# KiCad board rgbwstrip120_250_panel.kicad_pcb (continued)
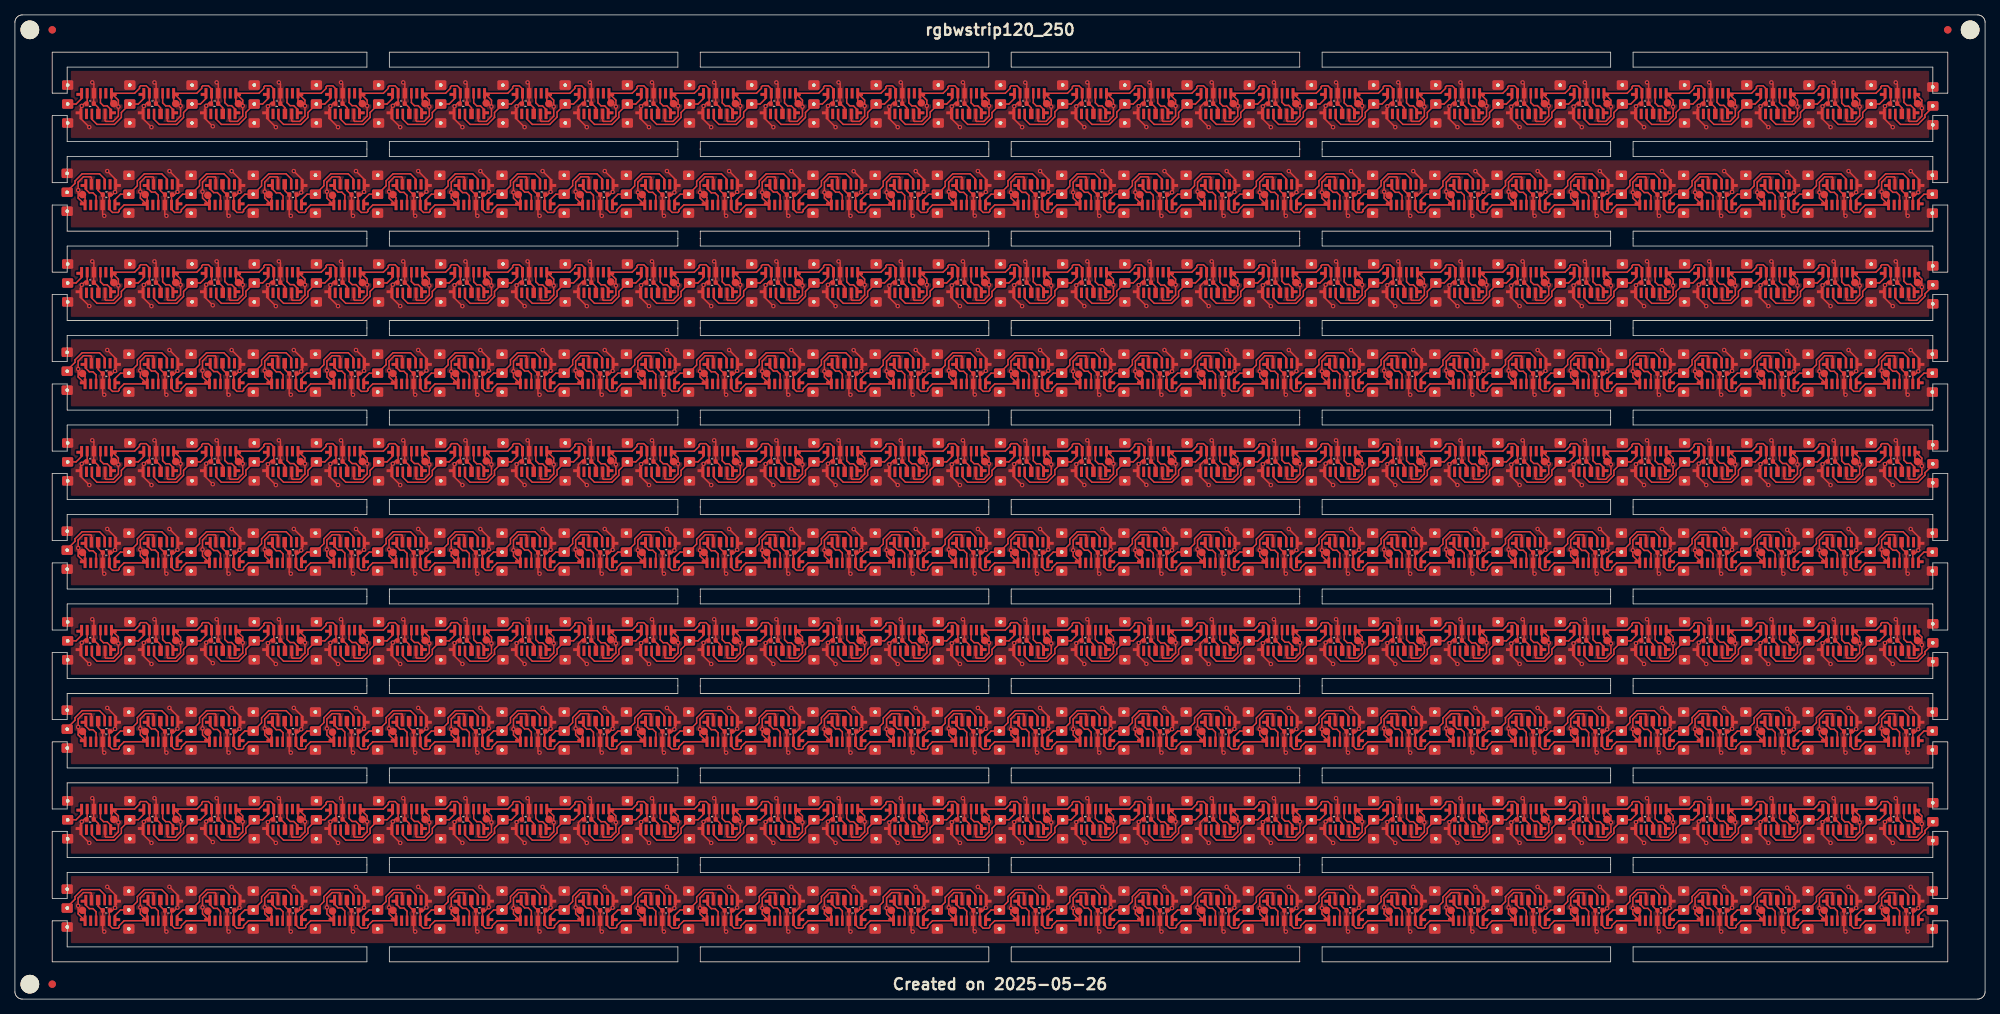
[diagram p0: board, top side]
## Routing (per net, layer and track width the routed paths; a pad name or vN(x,y) marks a point on that pad's centre or on a via; arc(x,y) is an arc through that point) (continued)
Board_1-Net-(J19-Pin_2): length 10.4
  Top w0.2: 106.84,107.95 105.81,107.95 105.07,107.21 U38#9.6 ; 112.02,109.28 112.02,110 111.34,110.68 109,110.68 108.07,109.75 108.07,109.09 J19#8.2
Board_1-Net-(J20-Pin_2): length 10.4
  Top w0.2: 103.69,109.28 103.69,110 103.01,110.68 100.67,110.68 99.74,109.75 99.74,109.09 J20#7.2 ; 98.5,107.95 97.47,107.95 96.73,107.21 U40#3.6
Board_1-Net-(J21-Pin_2): length 10.4
  Top w0.2: 95.35,109.28 95.35,110 94.67,110.68 92.34,110.68 91.35,109.7 91.35,109.03 J21#8.2 ; U42#4.6 88.4,107.21 89.14,107.95 90.17,107.95
Board_1-Net-(J22-Pin_2): length 10.4
  Top w0.2: 87.02,109.28 87.02,110 86.34,110.68 84,110.68 83.05,109.73 83.05,109.07 J22#4.2 ; U44#7.6 80.07,107.21 80.81,107.95 81.84,107.95
Board_1-Net-(J23-Pin_2): length 10.4
  Top w0.2: 78.69,109.28 78.69,110 78.01,110.68 75.67,110.68 74.74,109.75 74.74,109.09 J23#8.2 ; 73.5,107.95 72.47,107.95 71.73,107.21 U46#5.6
Board_1-Net-(J24-Pin_2): length 10.4
  Top w0.2: 70.35,109.28 70.35,110 69.67,110.68 67.34,110.68 66.4,109.75 66.4,109.09 J24#3.2 ; 65.17,107.95 64.14,107.95 63.4,107.21 U48#6.6
Board_1-Net-(J25-Pin_2): length 10.4
  Top w0.2: 56.84,107.95 55.81,107.95 55.07,107.21 U50#3.6 ; J25#6.2 58.05,109.07 58.05,109.73 59,110.68 61.34,110.68 62.02,110 62.02,109.28
Board_1-Net-(J26-Pin_2): length 10.4
  Top w0.2: U52#2.6 46.73,107.21 47.47,107.95 48.5,107.95 ; 53.69,109.28 53.69,110 53.01,110.68 50.67,110.68 49.74,109.75 49.74,109.09 J26#4.2
Board_1-Net-(J27-Pin_2): length 10.4
  Top w0.2: U54#8.6 38.4,107.21 39.14,107.95 40.17,107.95 ; J27.2 41.4,109.09 41.4,109.75 42.34,110.68 44.67,110.68 45.35,110 45.35,109.28
Board_1-Net-(J28-Pin_2): length 10.4
  Top w0.2: J28#7.2 33.05,109.07 33.05,109.73 34,110.68 36.34,110.68 37.02,110 37.02,109.28 ; 31.84,107.95 30.81,107.95 30.07,107.21 U56.6
Board_1-Net-(J29-Pin_2): length 10.4
  Top w0.2: 23.5,107.95 22.47,107.95 21.73,107.21 U58#4.6 ; J29#7.2 24.74,109.09 24.74,109.75 25.67,110.68 28.01,110.68 28.69,110 28.69,109.28
Board_1-Net-(J30-Pin_2): length 10.4
  Top w0.2: 15.17,107.95 14.14,107.95 13.4,107.21 U60#5.6 ; 20.35,109.28 20.35,110 19.67,110.68 17.34,110.68 16.4,109.75 16.4,109.09 J30#10.2
Board_1-Net-(J31-Pin_2): length 7.2
  Top w0.2: 12.02,109.28 12.02,110 11.34,110.68 9,110.68 8.05,109.73 8.05,109.4 7.4,108.75 7.4,108.21
Board_1-Net-(U1-DIN): length 3.5
  Top w0.2: 251.17,109.73 251.17,108.67 251.63,108.2 252.13,108.2 252.54,107.79 252.54,107.08
Board_1-Net-(U3-DIN): length 3.5
  Top w0.2: 244.21,107.08 244.21,107.79 243.8,108.2 243.3,108.2 242.83,108.67 242.83,109.73
Board_1-Net-(U5-DIN): length 3.5
  Top w0.2: 234.5,109.7 234.5,108.64 234.97,108.17 235.47,108.17 235.88,107.76 235.88,107.05
Board_1-Net-(U7-DIN): length 3.5
  Top w0.2: 227.54,107.05 227.54,107.76 227.13,108.17 226.63,108.17 226.17,108.64 226.17,109.7
Board_1-Net-(U10-DOUT): length 3.5
  Top w0.2: 219.22,107.05 219.22,107.76 218.82,108.17 218.32,108.17 217.85,108.64 217.85,109.7
Board_1-Net-(U11-DIN): length 3.5
  Top w0.2: 209.5,109.7 209.5,108.64 209.97,108.17 210.47,108.17 210.88,107.76 210.88,107.05
Board_1-Net-(U13-DIN): length 3.5
  Top w0.2: 202.53,107.08 202.53,107.79 202.12,108.2 201.62,108.2 201.15,108.67 201.15,109.73
Board_1-Net-(U15-DIN): length 3.5
  Top w0.2: 194.21,107.08 194.21,107.79 193.8,108.2 193.3,108.2 192.83,108.67 192.83,109.73
Board_1-Net-(U17-DIN): length 3.5
  Top w0.2: 184.5,109.73 184.5,108.67 184.97,108.2 185.47,108.2 185.88,107.79 185.88,107.08
Board_1-Net-(U19-DIN): length 3.5
  Top w0.2: 177.54,107.08 177.54,107.79 177.13,108.2 176.63,108.2 176.17,108.67 176.17,109.73
Board_1-Net-(U21-DIN): length 3.5
  Top w0.2: 167.85,109.73 167.85,108.67 168.32,108.2 168.82,108.2 169.22,107.79 169.22,107.08
Board_1-Net-(U23-DIN): length 3.5
  Top w0.2: 160.88,107.08 160.88,107.79 160.47,108.2 159.97,108.2 159.5,108.67 159.5,109.73
Board_1-Net-(U25-DIN): length 3.5
  Top w0.2: 151.17,109.73 151.17,108.67 151.63,108.2 152.13,108.2 152.54,107.79 152.54,107.08
Board_1-Net-(U27-DIN): length 3.5
  Top w0.2: 142.85,109.73 142.85,108.67 143.32,108.2 143.82,108.2 144.22,107.79 144.22,107.08
Board_1-Net-(U29-DIN): length 3.5
  Top w0.2: 134.5,109.73 134.5,108.67 134.97,108.2 135.47,108.2 135.88,107.79 135.88,107.08
Board_1-Net-(U31-DIN): length 3.5
  Top w0.2: 126.17,109.73 126.17,108.67 126.63,108.2 127.13,108.2 127.54,107.79 127.54,107.08
Board_1-Net-(U33-DIN): length 3.5
  Top w0.2: 117.85,109.73 117.85,108.67 118.32,108.2 118.82,108.2 119.22,107.79 119.22,107.08
Board_1-Net-(U35-DIN): length 3.5
  Top w0.2: 109.5,109.76 109.5,108.7 109.97,108.23 110.47,108.23 110.88,107.82 110.88,107.11
Board_1-Net-(U37-DIN): length 3.5
  Top w0.2: 102.54,107.11 102.54,107.82 102.13,108.23 101.63,108.23 101.17,108.7 101.17,109.76
Board_1-Net-(U39-DIN): length 3.5
  Top w0.2: 94.22,107.01 94.22,107.72 93.82,108.13 93.32,108.13 92.85,108.6 92.85,109.66
Board_1-Net-(U41-DIN): length 3.5
  Top w0.2: 84.5,109.73 84.5,108.67 84.97,108.2 85.47,108.2 85.88,107.79 85.88,107.08
Board_1-Net-(U43-DIN): length 3.5
  Top w0.2: 76.15,109.73 76.15,108.67 76.62,108.2 77.12,108.2 77.53,107.79 77.53,107.08
Board_1-Net-(U45-DIN): length 3.5
  Top w0.2: 67.83,109.76 67.83,108.7 68.3,108.23 68.8,108.23 69.21,107.82 69.21,107.11
Board_1-Net-(U47-DIN): length 3.5
  Top w0.2: 60.89,107.04 60.89,107.76 60.48,108.17 59.98,108.17 59.52,108.63 59.52,109.69
Board_1-Net-(U49-DIN): length 3.5
  Top w0.2: 52.54,107.08 52.54,107.79 52.13,108.2 51.63,108.2 51.17,108.67 51.17,109.73
Board_1-Net-(U51-DIN): length 3.5
  Top w0.2: 42.83,109.76 42.83,108.7 43.3,108.23 43.8,108.23 44.21,107.82 44.21,107.11
Board_1-Net-(U53-DIN): length 3.5
  Top w0.2: 34.55,109.66 34.55,108.6 35.02,108.13 35.52,108.13 35.92,107.72 35.92,107.01
Board_1-Net-(U55-DIN): length 3.5
  Top w0.2: 27.54,107.04 27.54,107.76 27.13,108.17 26.63,108.17 26.17,108.63 26.17,109.69
Board_1-Net-(U57-DIN): length 3.5
  Top w0.2: 19.21,107.11 19.21,107.82 18.8,108.23 18.3,108.23 17.83,108.7 17.83,109.76
Board_1-Net-(U59-DIN): length 3.5
  Top w0.2: 10.88,107.01 10.88,107.72 10.47,108.13 9.97,108.13 9.5,108.6 9.5,109.66
Board_2-+3.3V: length 592.6
  Top w0.2: 121.41,97.43 121.35,97.49 ; 50.5,94.84 50.5,95.68 v1(50.64,95.81) 50.99,96.17 51.27,96.17 51.35,96.25 U12#6.5 51.35,98.07 50.93,98.5 50.18,98.5 50.03,98.35 50.03,98.15 49.37,97.49 U10.1 ; 238.08,97.43 238.02,97.49 ; 25.5,94.84 25.5,95.68 v1(25.64,95.81) 25.99,96.17 26.27,96.17 26.35,96.25 U6#9.5 26.35,98.07 25.93,98.5 25.18,98.5 25.03,98.35 25.03,98.15 24.37,97.49 U4#3.1 ; 183.83,94.84 183.83,95.68 v1(183.9,95.75) 184.32,96.17 184.6,96.17 184.68,96.25 U44#4.5 184.68,98.07 184.26,98.5 183.51,98.5 183.36,98.35 183.36,98.15 182.71,97.49 U42#9.1 ; 63.08,97.43 63.02,97.49 ; 250.5,94.84 250.5,95.68 v1(250.59,95.76) 250.99,96.17 251.27,96.17 251.35,96.25 U60#2.5 251.35,98.07 250.93,98.5 250.18,98.5 250.03,98.35 250.03,98.15 249.37,97.49 U58#8.1 ; U3#3.1 17.17,94.08 v1(18.3,92.95) ; 188.08,97.43 188.02,97.49 ; 108.83,94.84 108.83,95.68 v1(108.95,95.8) 109.32,96.17 109.6,96.17 109.68,96.25 U26#7.5 109.68,98.07 109.26,98.5 108.51,98.5 108.36,98.35 108.36,98.15 107.71,97.49 U24.1 ; v1(118.3,92.95) 117.17,94.08 U27#5.1 ; U32#4.1 141.04,97.49 141.7,98.15 141.7,98.35 141.85,98.5 142.59,98.5 143.02,98.07 U34.5 143.02,96.25 142.94,96.17 142.66,96.17 v1(142.22,95.73) 142.17,95.68 142.17,94.84 ; U32#4.1 137.93,96.42 K8#3.1 ; U32#4.1 138.86,96.56 v1(138.86,95.7) 138.86,94.42 138.16,93.72 137.19,93.72 137.08,93.82 U31#8.5 ; U37#6.1 158.83,94.08 v1(159.96,92.95) ; U56#8.1 237.93,96.42 K20.1 ; U56#8.1 238.86,96.56 v1(238.86,95.7) 238.86,94.42 238.16,93.72 237.19,93.72 237.08,93.82 U55#3.5 ; U56#8.1 241.04,97.49 241.7,98.15 241.7,98.35 241.85,98.5 242.59,98.5 243.02,98.07 U58#8.5 243.02,96.25 242.94,96.17 242.66,96.17 v1(242.22,95.73) 242.17,95.68 242.17,94.84 ; 175.5,94.84 175.5,95.68 v1(175.64,95.81) 175.99,96.17 176.27,96.17 176.35,96.25 U42#9.5 176.35,98.07 175.93,98.5 175.18,98.5 175.03,98.35 175.03,98.15 174.37,97.49 U40#5.1 ; 171.41,97.43 171.35,97.49 ; 42.17,94.84 42.17,95.68 v1(42.27,95.78) 42.66,96.17 42.94,96.17 43.02,96.25 U10.5 43.02,98.07 42.59,98.5 41.85,98.5 41.7,98.35 41.7,98.15 41.04,97.49 U8#5.1 ; U52#6.1 222.2,96.56 v1(222.2,95.7) 222.2,94.42 221.49,93.72 220.52,93.72 220.42,93.82 U51.5 ; U52#6.1 224.37,97.49 225.03,98.15 225.03,98.35 225.18,98.5 225.93,98.5 226.35,98.07 U54#2.5 226.35,96.25 226.27,96.17 225.99,96.17 v1(225.64,95.81) 225.5,95.68 225.5,94.84 ; U52#6.1 221.27,96.38 K19#6.1 ; U36#10.1 154.6,96.45 K30#6.1 ; U36#10.1 155.53,96.56 v1(155.53,95.8) 155.53,94.42 154.83,93.72 153.86,93.72 153.75,93.82 U35#8.5 ; U36#10.1 157.71,97.49 158.36,98.15 158.36,98.35 158.51,98.5 159.26,98.5 159.68,98.07 U38#8.5 159.68,96.25 159.6,96.17 159.32,96.17 158.83,95.68 158.83,94.84 ; U44#4.1 188.86,96.56 v1(188.86,95.7) 188.86,94.42 188.16,93.72 187.19,93.72 187.08,93.82 U43#8.5 ; U44#4.1 191.04,97.49 191.7,98.15 191.7,98.35 191.85,98.5 192.59,98.5 193.02,98.07 U46#8.5 193.02,96.25 192.94,96.17 192.66,96.17 v1(192.22,95.73) 192.17,95.68 192.17,94.84 ; U44#4.1 187.93,96.42 K14.1 ; v1(243.3,92.95) 242.17,94.08 U57#7.1 ; U42#9.1 180.53,96.56 v1(180.53,95.8) 180.53,94.42 179.83,93.72 178.86,93.72 178.75,93.82 U41#5.5 ; U42#9.1 179.6,96.45 K10#4.1 ; v1(63.85,95.7) 63.38,96.17 K27#6.1 62.93,96.38 U14.1 ; v1(63.85,95.7) 63.86,96.56 U14.1 ; v1(63.85,95.7) 63.86,94.42 63.16,93.72 62.19,93.72 62.08,93.82 U13#7.5 ; U55#3.1 233.83,94.08 v1(234.96,92.95) ; v1(143.3,92.95) 142.17,94.08 U33#6.1 ; U54#2.1 229.6,96.45 K24#5.1 ; U54#2.1 232.71,97.49 233.36,98.15 233.36,98.35 233.51,98.5 234.26,98.5 234.68,98.07 U56#8.5 234.68,96.25 234.6,96.17 234.32,96.17 v1(233.9,95.75) 233.83,95.68 233.83,94.84 ; U54#2.1 230.53,96.56 v1(230.53,95.7) 230.53,94.42 229.83,93.72 228.86,93.72 228.75,93.82 U53#3.5 ; 129.74,97.43 129.68,97.49 ; v1(59.96,92.95) 58.83,94.08 U13#7.1 ; U9.1 42.17,94.08 v1(43.3,92.95) ; 21.41,97.43 21.35,97.49 ; v1(9.96,92.95) 8.83,94.08 U1.1 ; 75.5,94.84 75.5,95.68 75.99,96.17 76.27,96.17 76.35,96.25 U18#9.5 76.35,98.07 75.93,98.5 75.18,98.5 75.03,98.35 75.03,98.15 74.37,97.49 U16#3.1 ; U38#8.1 166.04,97.49 166.7,98.15 166.7,98.35 166.85,98.5 167.59,98.5 168.02,98.07 U40#5.5 168.02,96.25 167.94,96.17 167.66,96.17 v1(167.22,95.73) 167.17,95.68 167.17,94.84 ; U38#8.1 162.93,96.42 K5#7.1 ; U38#8.1 163.86,96.56 v1(163.86,95.8) 163.86,94.42 163.16,93.72 162.19,93.72 162.08,93.82 U37#6.5 ; 221.41,97.43 221.35,97.49 ; U57#7.5 245.42,93.82 245.52,93.72 246.49,93.72 247.2,94.42 v1(247.2,95.7) 247.2,96.56 U58#8.1 ; K29#9.1 254.6,96.45 U60#2.1 255.53,96.56 v1(255.53,95.5) 255.53,94.42 254.83,93.72 253.86,93.72 253.75,93.82 U59#3.5 ; U18#9.1 80.53,96.56 v1(80.53,95.7) ; U18#9.1 82.71,97.49 83.36,98.15 83.36,98.35 83.51,98.5 84.26,98.5 84.68,98.07 U20#7.5 84.68,96.25 84.6,96.17 84.32,96.17 v1(83.9,95.75) 83.83,95.68 83.83,94.84 ; U18#9.1 79.6,96.45 K7#5.1 80.03,96.2 v1(80.53,95.7) ; U40#5.1 171.27,96.48 K9#4.1 ; U40#5.1 172.2,96.56 v1(172.2,95.8) 172.2,94.42 171.49,93.72 170.52,93.72 170.42,93.82 U39#7.5 ; U31#8.1 133.83,94.08 v1(134.96,92.95) ; U30#4.1 130.53,96.56 v1(130.53,95.8) 130.53,94.42 129.83,93.72 128.86,93.72 128.75,93.82 U29#3.5 ; U30#4.1 132.71,97.49 133.36,98.15 133.36,98.35 133.51,98.5 134.26,98.5 134.68,98.07 U32#4.5 134.68,96.25 134.6,96.17 134.32,96.17 v1(133.9,95.75) 133.83,95.68 133.83,94.84 ; U30#4.1 129.6,96.45 K18#5.1 ; U7#3.5 37.08,93.82 37.19,93.72 38.16,93.72 38.86,94.42 v1(38.86,95.8) 38.86,96.56 U8#5.1 ; U2#8.1 12.93,96.42 K1#6.1 ; U2#8.1 16.04,97.49 16.7,98.15 16.7,98.35 16.85,98.5 17.59,98.5 18.02,98.07 U4#3.5 18.02,96.25 17.94,96.17 17.66,96.17 v1(17.27,95.78) 17.17,95.68 17.17,94.84 ; U2#8.1 13.86,96.56 v1(13.86,95.7) 13.86,94.42 13.16,93.72 12.19,93.72 12.08,93.82 U1.5 ; U2#8.1 13.25,97.18 ; 26.63,92.95 v1(26.51,93.06) 25.5,94.08 U5#5.1 ; K22#3.1 96.27,96.38 U22#7.1 ; U25#5.5 112.08,93.82 112.19,93.72 113.16,93.72 113.86,94.42 v1(113.86,95.8) 113.86,96.56 U26#7.1 ; U9.5 45.42,93.82 45.52,93.72 46.49,93.72 47.2,94.42 v1(47.2,95.8) 47.2,96.56 U10.1 ; U4#3.1 22.2,96.56 v1(22.2,95.8) 22.2,94.42 21.49,93.72 20.52,93.72 20.42,93.82 U3#3.5 ; U4#3.1 21.27,96.38 K6#7.1 ; U4#3.1 21.55,97.21 ; K4#2.1 146.27,96.38 U34.1 ; v1(101.63,92.95) 100.5,94.08 U23.1 ; K2#6.1 71.27,96.38 U16#3.1 ; U29#3.1 125.5,94.08 v1(126.63,92.95) ; v1(218.3,92.95) 217.17,94.08 U51.1 ; K21#3.1 37.93,96.42 U8#5.1 ; 200.5,94.84 v1(200.5,95.68) 200.99,96.17 201.27,96.17 201.35,96.25 U48#5.5 201.35,98.07 200.93,98.5 200.18,98.5 200.03,98.35 200.03,98.15 199.37,97.49 U46#8.1 ; U28#9.1 124.37,97.49 125.03,98.15 125.03,98.35 125.18,98.5 125.93,98.5 126.35,98.07 U30#4.5 126.35,96.25 126.27,96.17 125.99,96.17 v1(125.54,95.71) 125.5,95.68 125.5,94.84 ; U28#9.1 121.27,96.38 K13#4.1 ; U28#9.1 122.2,96.56 v1(122.2,95.8) 122.2,94.42 121.49,93.72 120.52,93.72 120.42,93.82 U27#5.5 ; U14.1 66.04,97.49 66.7,98.15 66.7,98.35 66.85,98.5 67.59,98.5 68.02,98.07 U16#3.5 68.02,96.25 67.94,96.17 67.66,96.17 v1(67.22,95.73) 67.17,95.68 67.17,94.84 ; U19#7.5 87.08,93.82 87.19,93.72 88.16,93.72 88.86,94.42 v1(88.86,95.8) 88.86,96.56 U20#7.1 ; 9.68,98.07 U2#8.5 9.68,96.25 9.6,96.17 9.32,96.17 v1(8.95,95.8) 8.83,95.68 8.83,94.84 ; U10.1 46.27,96.38 K16#9.1 ; U47#10.5 203.75,93.82 203.86,93.72 204.83,93.72 205.53,94.42 v1(205.53,95.8) 205.53,96.56 U48#5.1 ; U17#9.1 75.5,94.08 v1(76.63,92.95) ; U15.5 70.42,93.82 70.52,93.72 71.49,93.72 72.2,94.42 v1(72.2,95.7) 72.2,96.56 U16#3.1 ; v1(251.63,92.95) 250.5,94.08 U59#3.1 ; 138.08,97.43 138.02,97.49 ; U46#8.1 196.27,96.38 K23#3.1 ; U46#8.1 197.2,96.56 v1(197.2,95.8) 197.2,94.42 196.49,93.72 195.52,93.72 195.42,93.82 U45#10.5 ; U58#8.1 246.27,96.38 K25#3.1 ; U7#3.1 33.83,94.08 v1(34.96,92.95) ; U11#5.1 50.5,94.08 v1(51.63,92.95) ; 179.74,97.43 179.68,97.49 ; U48#5.1 207.71,97.49 208.36,98.15 208.36,98.35 208.51,98.5 209.26,98.5 209.68,98.07 U50#9.5 209.68,96.25 209.6,96.17 209.32,96.17 v1(208.85,95.7) 208.83,95.68 208.83,94.84 ; U48#5.1 204.6,96.45 K28#9.1 ; 100.5,94.84 100.5,95.68 v1(100.59,95.76) 100.99,96.17 101.27,96.17 101.35,96.25 U24.5 101.35,98.07 100.93,98.5 100.18,98.5 100.03,98.35 100.03,98.15 99.37,97.49 U22#7.1 ; v1(93.3,92.95) 92.17,94.08 U21#6.1 ; U50#9.1 212.93,96.52 K15#10.1 ; U50#9.1 213.86,96.56 v1(213.86,95.7) 213.86,94.42 213.16,93.72 212.19,93.72 212.08,93.82 U49#4.5 ; U50#9.1 216.04,97.49 216.7,98.15 216.7,98.35 216.85,98.5 217.59,98.5 218.02,98.07 U52#6.5 218.02,96.25 217.94,96.17 217.66,96.17 v1(217.22,95.73) 217.17,95.68 217.17,94.84 ; U19#7.1 83.83,94.08 v1(84.96,92.95) ; v1(109.96,92.95) 108.83,94.08 U25#5.1 ; U26#7.1 116.04,97.49 116.7,98.15 116.7,98.35 116.85,98.5 117.59,98.5 118.02,98.07 U28#9.5 118.02,96.25 117.94,96.17 117.66,96.17 v1(117.17,95.68) 117.17,95.68 117.17,94.84 ; U26#7.1 112.93,96.42 K3#6.1 ; U34.1 147.2,96.56 v1(147.2,95.8) 147.2,94.42 146.49,93.72 145.52,93.72 145.42,93.82 U33#6.5 ; U34.1 149.37,97.49 150.03,98.15 150.03,98.35 150.18,98.5 150.93,98.5 151.35,98.07 U36#10.5 151.35,96.25 151.27,96.17 150.99,96.17 v1(150.59,95.76) 150.5,95.68 150.5,94.84 ; U24.1 104.6,96.45 K17#7.1 ; U24.1 105.53,96.56 v1(105.53,95.7) 105.53,94.42 104.83,93.72 103.86,93.72 103.75,93.82 U23.5 ; U49#4.1 208.83,94.08 v1(209.96,92.95) ; v1(68.3,92.95) 67.17,94.08 U15.1 ; U8#5.1 38.25,97.17 ; 154.74,97.43 154.68,97.49 ; 151.63,92.95 v1(151.61,92.96) 150.5,94.08 U35#8.1 ; v1(226.63,92.95) 225.5,94.08 U53#3.1 ; 104.74,97.43 104.68,97.49 ; 58.83,94.84 58.83,95.68 v1(58.9,95.75) 59.32,96.17 59.6,96.17 59.68,96.25 U14.5 59.68,98.07 59.26,98.5 58.51,98.5 58.36,98.35 58.36,98.15 57.71,97.49 U12#6.1 ; U6#9.1 32.71,97.49 33.36,98.15 33.36,98.35 33.51,98.5 34.26,98.5 34.68,98.07 U8#5.5 34.68,96.25 34.6,96.17 34.32,96.17 v1(33.9,95.75) 33.83,95.68 33.83,94.84 ; U6#9.1 30.53,96.56 v1(30.53,95.8) 30.53,94.42 29.83,93.72 28.86,93.72 28.75,93.82 U5#5.5 ; U6#9.1 29.6,96.45 K26#2.1 ; 71.41,97.43 71.35,97.49 ; U21#6.5 95.42,93.82 95.52,93.72 96.49,93.72 97.2,94.42 v1(97.2,95.8) 97.2,96.56 U22#7.1 ; 254.74,97.43 254.68,97.49 ; 46.41,97.43 46.35,97.49 ; U20#7.1 91.04,97.49 91.7,98.15 91.7,98.35 91.85,98.5 92.59,98.5 93.02,98.07 U22#7.5 93.02,96.25 92.94,96.17 92.66,96.17 v1(92.27,95.78) 92.17,95.68 92.17,94.84 ; U20#7.1 87.93,96.42 K12#9.1 ; 13.08,97.43 13.02,97.49 ; v1(80.53,95.7) 80.53,94.42 79.83,93.72 78.86,93.72 78.75,93.82 U17#9.5 ; U11#5.5 53.75,93.82 53.86,93.72 54.83,93.72 55.53,94.42 v1(55.53,95.7) 55.53,96.56 U12#6.1 ; U45#10.1 192.17,94.08 v1(193.3,92.95) ; 196.41,97.43 196.35,97.49 ; 204.74,97.43 204.68,97.49 ; 96.41,97.43 96.35,97.49 ; 163.08,97.43 163.02,97.49 ; U12#6.1 54.6,96.45 K11#10.1 ; v1(184.96,92.95) 183.83,94.08 U43#8.1 ; 146.41,97.43 146.35,97.49 ; 54.74,97.43 54.68,97.49 ; v1(176.63,92.95) 175.5,94.08 U41#5.1 ; 229.74,97.43 229.68,97.49 ; v1(201.63,92.95) 200.5,94.08 U47#10.1 ; 246.41,97.43 246.35,97.49 ; 113.08,97.43 113.02,97.49 ; 213.08,97.43 213.02,97.49 ; 88.08,97.43 88.02,97.49 ; v1(168.3,92.95) 167.17,94.08 U39#7.1 ; 38.08,97.43 38.02,97.49 ; 79.74,97.43 79.68,97.49 ; 29.74,97.43 29.68,97.49
Board_2-GND: length 133.9
  Top w0.2: v1(252.03,98.95) 252.25,98.73 U60#2.4 252.23,97.47 252.23,96.17 252.85,95.55 252.85,94.84 ; 211.18,94.84 211.18,95.55 210.56,96.17 210.56,97.47 U50#9.4 210.58,98.73 v1(210.36,98.95) ; v1(43.7,98.95) 43.92,98.73 U10.4 43.9,97.47 43.9,96.17 44.52,95.55 44.52,94.84 ; v1(218.7,98.95) 218.92,98.73 U52#6.4 218.9,97.47 218.9,96.17 219.52,95.55 219.52,94.84 ; v1(52.03,98.95) 52.25,98.73 U12#6.4 52.23,97.47 52.23,96.17 52.85,95.55 52.85,94.84 ; 127.85,94.84 127.85,95.55 127.23,96.17 127.23,97.47 U30#4.4 127.25,98.73 v1(127.03,98.95) ; v1(152.03,98.95) 152.25,98.73 U36#10.4 152.23,97.47 152.23,96.17 152.85,95.55 152.85,94.84 ; v1(35.36,98.95) 35.58,98.73 U8#5.4 35.56,97.47 35.56,96.17 36.18,95.55 36.18,94.84 ; v1(10.36,98.95) 10.58,98.73 U2#8.4 10.56,97.47 10.56,96.17 11.18,95.55 11.18,94.84 ; v1(160.36,98.95) 160.58,98.73 U38#8.4 160.56,97.47 160.56,96.17 161.18,95.55 161.18,94.84 ; 102.85,94.84 102.85,95.55 102.23,96.17 102.23,97.47 U24.4 102.25,98.73 v1(102.03,98.95) ; v1(193.7,98.95) 193.92,98.73 U46#8.4 193.9,97.47 193.9,96.17 194.52,95.55 194.52,94.84 ; 111.18,94.84 111.18,95.55 110.56,96.17 110.56,97.47 U26#7.4 110.58,98.73 v1(110.36,98.95) ; 19.52,94.84 19.52,95.55 18.9,96.17 18.9,97.47 U4#3.4 18.92,98.73 v1(18.7,98.95) ; 169.52,94.84 169.52,95.55 168.9,96.17 168.9,97.47 U40#5.4 168.92,98.73 v1(168.7,98.95) ; 136.18,94.84 136.18,95.55 135.56,96.17 135.56,97.47 U32#4.4 135.58,98.73 v1(135.38,98.93) 135.36,98.95 ; 77.85,94.84 77.85,95.55 77.23,96.17 77.23,97.47 U18#9.4 77.25,98.73 v1(77.03,98.95) ; 119.52,94.84 119.52,95.55 118.9,96.17 118.9,97.47 U28#9.4 118.92,98.73 v1(118.7,98.95) ; 86.18,94.84 86.18,95.55 85.56,96.17 85.56,97.47 U20#7.4 85.58,98.73 v1(85.36,98.95) ; 177.85,94.84 177.85,95.55 177.23,96.17 177.23,97.47 U42#9.4 177.25,98.73 v1(177.03,98.95) ; 69.52,94.84 69.52,95.55 68.9,96.17 68.9,97.47 U16#3.4 68.92,98.73 v1(68.7,98.95) ; 236.18,94.84 236.18,95.55 235.56,96.17 235.56,97.47 U56#8.4 235.58,98.73 v1(235.36,98.95) ; 244.52,94.84 244.52,95.55 243.9,96.17 243.9,97.47 U58#8.4 243.92,98.73 v1(243.7,98.95) 243.7,98.95 ; 186.18,94.84 186.18,95.55 185.56,96.17 185.56,97.47 U44#4.4 185.58,98.73 v1(185.36,98.95) ; 202.85,94.84 202.85,95.55 202.23,96.17 202.23,97.47 U48#5.4 202.25,98.73 v1(202.03,98.95) ; v1(227.03,98.95) 227.25,98.73 U54#2.4 227.23,97.47 227.23,96.17 227.85,95.55 227.85,94.84 ; v1(60.36,98.95) 60.58,98.73 U14.4 60.56,97.47 60.56,96.17 61.18,95.55 61.18,94.84 ; v1(143.7,98.95) 143.92,98.73 U34.4 143.9,97.47 143.9,96.17 144.52,95.55 144.52,94.84 ; v1(27.03,98.95) 27.25,98.73 U6#9.4 27.23,97.47 27.23,96.17 27.85,95.55 27.85,94.84 ; v1(93.7,98.95) 93.92,98.73 U22#7.4 93.9,97.47 93.9,96.17 94.52,95.55 94.52,94.84
Board_2-Net-(J1-Pin_2): length 2.8
  Top w0.2: U2#8.6 8.93,96.79 8.19,96.05 7.16,96.05
Board_2-Net-(J2-Pin_2): length 10.4
  Top w0.2: 15.5,96.05 16.53,96.05 17.27,96.79 U4#3.6 ; 10.31,94.72 10.31,94 10.99,93.32 13.33,93.32 14.26,94.25 14.26,94.91 J2#5.2
Board_2-Net-(J3-Pin_2): length 10.4
  Top w0.2: J3#3.2 22.6,94.91 22.6,94.25 21.66,93.32 19.33,93.32 18.65,94 18.65,94.72 ; U6#9.6 25.6,96.79 24.86,96.05 23.83,96.05
Board_2-Net-(J4-Pin_2): length 10.4
  Top w0.2: U8#5.6 33.93,96.79 33.19,96.05 32.16,96.05 ; J4#10.2 30.95,94.93 30.95,94.27 30,93.32 27.66,93.32 26.98,94 26.98,94.72
Board_2-Net-(J5-Pin_2): length 10.4
  Top w0.2: J5#2.2 39.26,94.91 39.26,94.25 38.33,93.32 35.99,93.32 35.31,94 35.31,94.72 ; U10.6 42.27,96.79 41.53,96.05 40.5,96.05
Board_2-Net-(J6-Pin_2): length 10.4
  Top w0.2: 48.83,96.05 49.86,96.05 50.6,96.79 U12#6.6 ; 43.65,94.72 43.65,94 44.33,93.32 46.66,93.32 47.6,94.25 47.6,94.91 J6#5.2
Board_2-Net-(J7-Pin_2): length 10.4
  Top w0.2: U14.6 58.93,96.79 58.19,96.05 57.16,96.05 ; J7#3.2 55.93,94.91 55.93,94.25 55,93.32 52.66,93.32 51.98,94 51.98,94.72
Board_2-Net-(J8-Pin_2): length 10.4
  Top w0.2: 60.31,94.72 60.31,94 60.99,93.32 63.33,93.32 64.26,94.25 64.26,94.26 64.27,94.26 64.26,94.42 64.26,94.91 J8#9.2 ; U16#3.6 67.27,96.79 66.53,96.05 65.5,96.05
Board_2-Net-(J9-Pin_2): length 10.4
  Top w0.2: 68.65,94.72 68.65,94 69.33,93.32 71.66,93.32 72.65,94.3 72.65,94.97 J9#3.2 ; U18#9.6 75.6,96.79 74.86,96.05 73.83,96.05
Board_2-Net-(J10-Pin_2): length 10.4
  Top w0.2: J10#9.2 80.93,94.91 80.93,94.25 80,93.32 77.66,93.32 76.98,94 76.98,94.72 ; U20#7.6 83.93,96.79 83.19,96.05 82.16,96.05
Board_2-Net-(J11-Pin_2): length 10.4
  Top w0.2: J11.2 89.26,94.91 89.26,94.25 88.33,93.32 85.99,93.32 85.31,94 85.31,94.72 ; 90.5,96.05 91.53,96.05 92.27,96.79 U22#7.6
Board_2-Net-(J12-Pin_2): length 10.4
  Top w0.2: 93.65,94.72 93.65,94 94.33,93.32 96.66,93.32 97.65,94.3 97.65,94.97 J12#8.2 ; 98.83,96.05 99.86,96.05 100.6,96.79 U24.6
Board_2-Net-(J13-Pin_2): length 10.4
  Top w0.2: U26#7.6 108.93,96.79 108.19,96.05 107.16,96.05 ; J13#5.2 105.93,94.91 105.93,94.25 105,93.32 102.66,93.32 101.98,94 101.98,94.72
Board_2-Net-(J14-Pin_2): length 10.4
  Top w0.2: U28#9.6 117.27,96.79 116.53,96.05 115.5,96.05 ; J14#7.2 114.26,94.91 114.26,94.25 113.33,93.32 113.33,93.32 110.99,93.32 110.31,94 110.31,94.72
Board_2-Net-(J15-Pin_2): length 10.4
  Top w0.2: 118.65,94.72 118.65,94 119.33,93.32 121.66,93.32 122.65,94.3 122.65,94.97 J15#10.2 ; U30#4.6 125.6,96.79 124.86,96.05 123.83,96.05
Board_2-Net-(J16-Pin_2): length 10.4
  Top w0.2: J16#3.2 130.93,94.91 130.93,94.25 130,93.32 127.66,93.32 126.98,94 126.98,94.72 ; U32#4.6 133.93,96.79 133.19,96.05 132.16,96.05
Board_2-Net-(J17-Pin_2): length 10.4
  Top w0.2: U34.6 142.27,96.79 141.53,96.05 140.5,96.05 ; J17#6.2 139.35,95 139.35,94.33 138.33,93.32 135.99,93.32 135.31,94 135.31,94.72
Board_2-Net-(J18-Pin_2): length 10.4
  Top w0.2: 143.65,94.72 143.65,94 144.33,93.32 146.66,93.32 147.65,94.3 147.65,94.97 J18#2.2 ; 148.83,96.05 149.86,96.05 150.6,96.79 U36#10.6
Board_2-Net-(J19-Pin_2): length 10.4
  Top w0.2: J19#2.2 155.93,94.91 155.93,94.25 155,93.32 152.66,93.32 151.98,94 151.98,94.72 ; 157.16,96.05 158.19,96.05 158.93,96.79 U38#8.6
Board_2-Net-(J20-Pin_2): length 10.4
  Top w0.2: J20#4.2 164.26,94.91 164.26,94.25 163.33,93.32 160.99,93.32 160.31,94 160.31,94.72 ; U40#5.6 167.27,96.79 166.53,96.05 165.5,96.05
Board_2-Net-(J21-Pin_2): length 10.4
  Top w0.2: 173.83,96.05 174.86,96.05 175.6,96.79 U42#9.6 ; J21#7.2 172.65,94.97 172.65,94.3 171.66,93.32 169.33,93.32 168.65,94 168.65,94.72
Board_2-Net-(J22-Pin_2): length 10.4
  Top w0.2: U44#4.6 183.93,96.79 183.19,96.05 182.16,96.05 ; J22#10.2 180.95,94.93 180.95,94.27 180,93.32 177.66,93.32 176.98,94 176.98,94.72
Board_2-Net-(J23-Pin_2): length 10.4
  Top w0.2: 190.5,96.05 191.53,96.05 192.27,96.79 U46#8.6 ; 185.31,94.72 185.31,94 185.99,93.32 188.33,93.32 189.26,94.25 189.26,94.91 J23#7.2
Board_2-Net-(J24-Pin_2): length 10.4
  Top w0.2: U48#5.6 200.6,96.79 199.86,96.05 198.83,96.05 ; 193.65,94.72 193.65,94 194.33,93.32 196.66,93.32 197.6,94.25 197.6,94.91 J24#9.2
Board_2-Net-(J25-Pin_2): length 10.4
  Top w0.2: U50#9.6 208.93,96.79 208.19,96.05 207.16,96.05 ; J25.2 205.95,94.93 205.95,94.27 205,93.32 202.66,93.32 201.98,94 201.98,94.72
Board_2-Net-(J26-Pin_2): length 10.4
  Top w0.2: J26#3.2 214.26,94.91 214.26,94.25 213.33,93.32 210.99,93.32 210.31,94 210.31,94.72 ; 215.5,96.05 216.53,96.05 217.27,96.79 U52#6.6
Board_2-Net-(J27-Pin_2): length 10.4
  Top w0.2: U54#2.6 225.6,96.79 224.86,96.05 223.83,96.05 ; J27#5.2 222.6,94.91 222.6,94.25 221.66,93.32 219.33,93.32 218.65,94 218.65,94.72
Board_2-Net-(J28-Pin_2): length 10.4
  Top w0.2: 226.98,94.72 226.98,94 227.66,93.32 230,93.32 230.95,94.27 230.95,94.93 J28.2 ; U56#8.6 233.93,96.79 233.19,96.05 232.16,96.05
Board_2-Net-(J29-Pin_2): length 10.4
  Top w0.2: 235.31,94.72 235.31,94 235.99,93.32 238.33,93.32 239.26,94.25 239.26,94.91 J29.2 ; U58#8.6 242.27,96.79 241.53,96.05 240.5,96.05
Board_2-Net-(J30-Pin_2): length 10.4
  Top w0.2: 248.83,96.05 249.86,96.05 250.6,96.79 U60#2.6 ; 243.65,94.72 243.65,94 244.33,93.32 246.66,93.32 247.6,94.25 247.6,94.91 J30#4.2